# Altium PCB FINAL_PCB_VER1.PcbDoc (part 2 of 4) (continued)
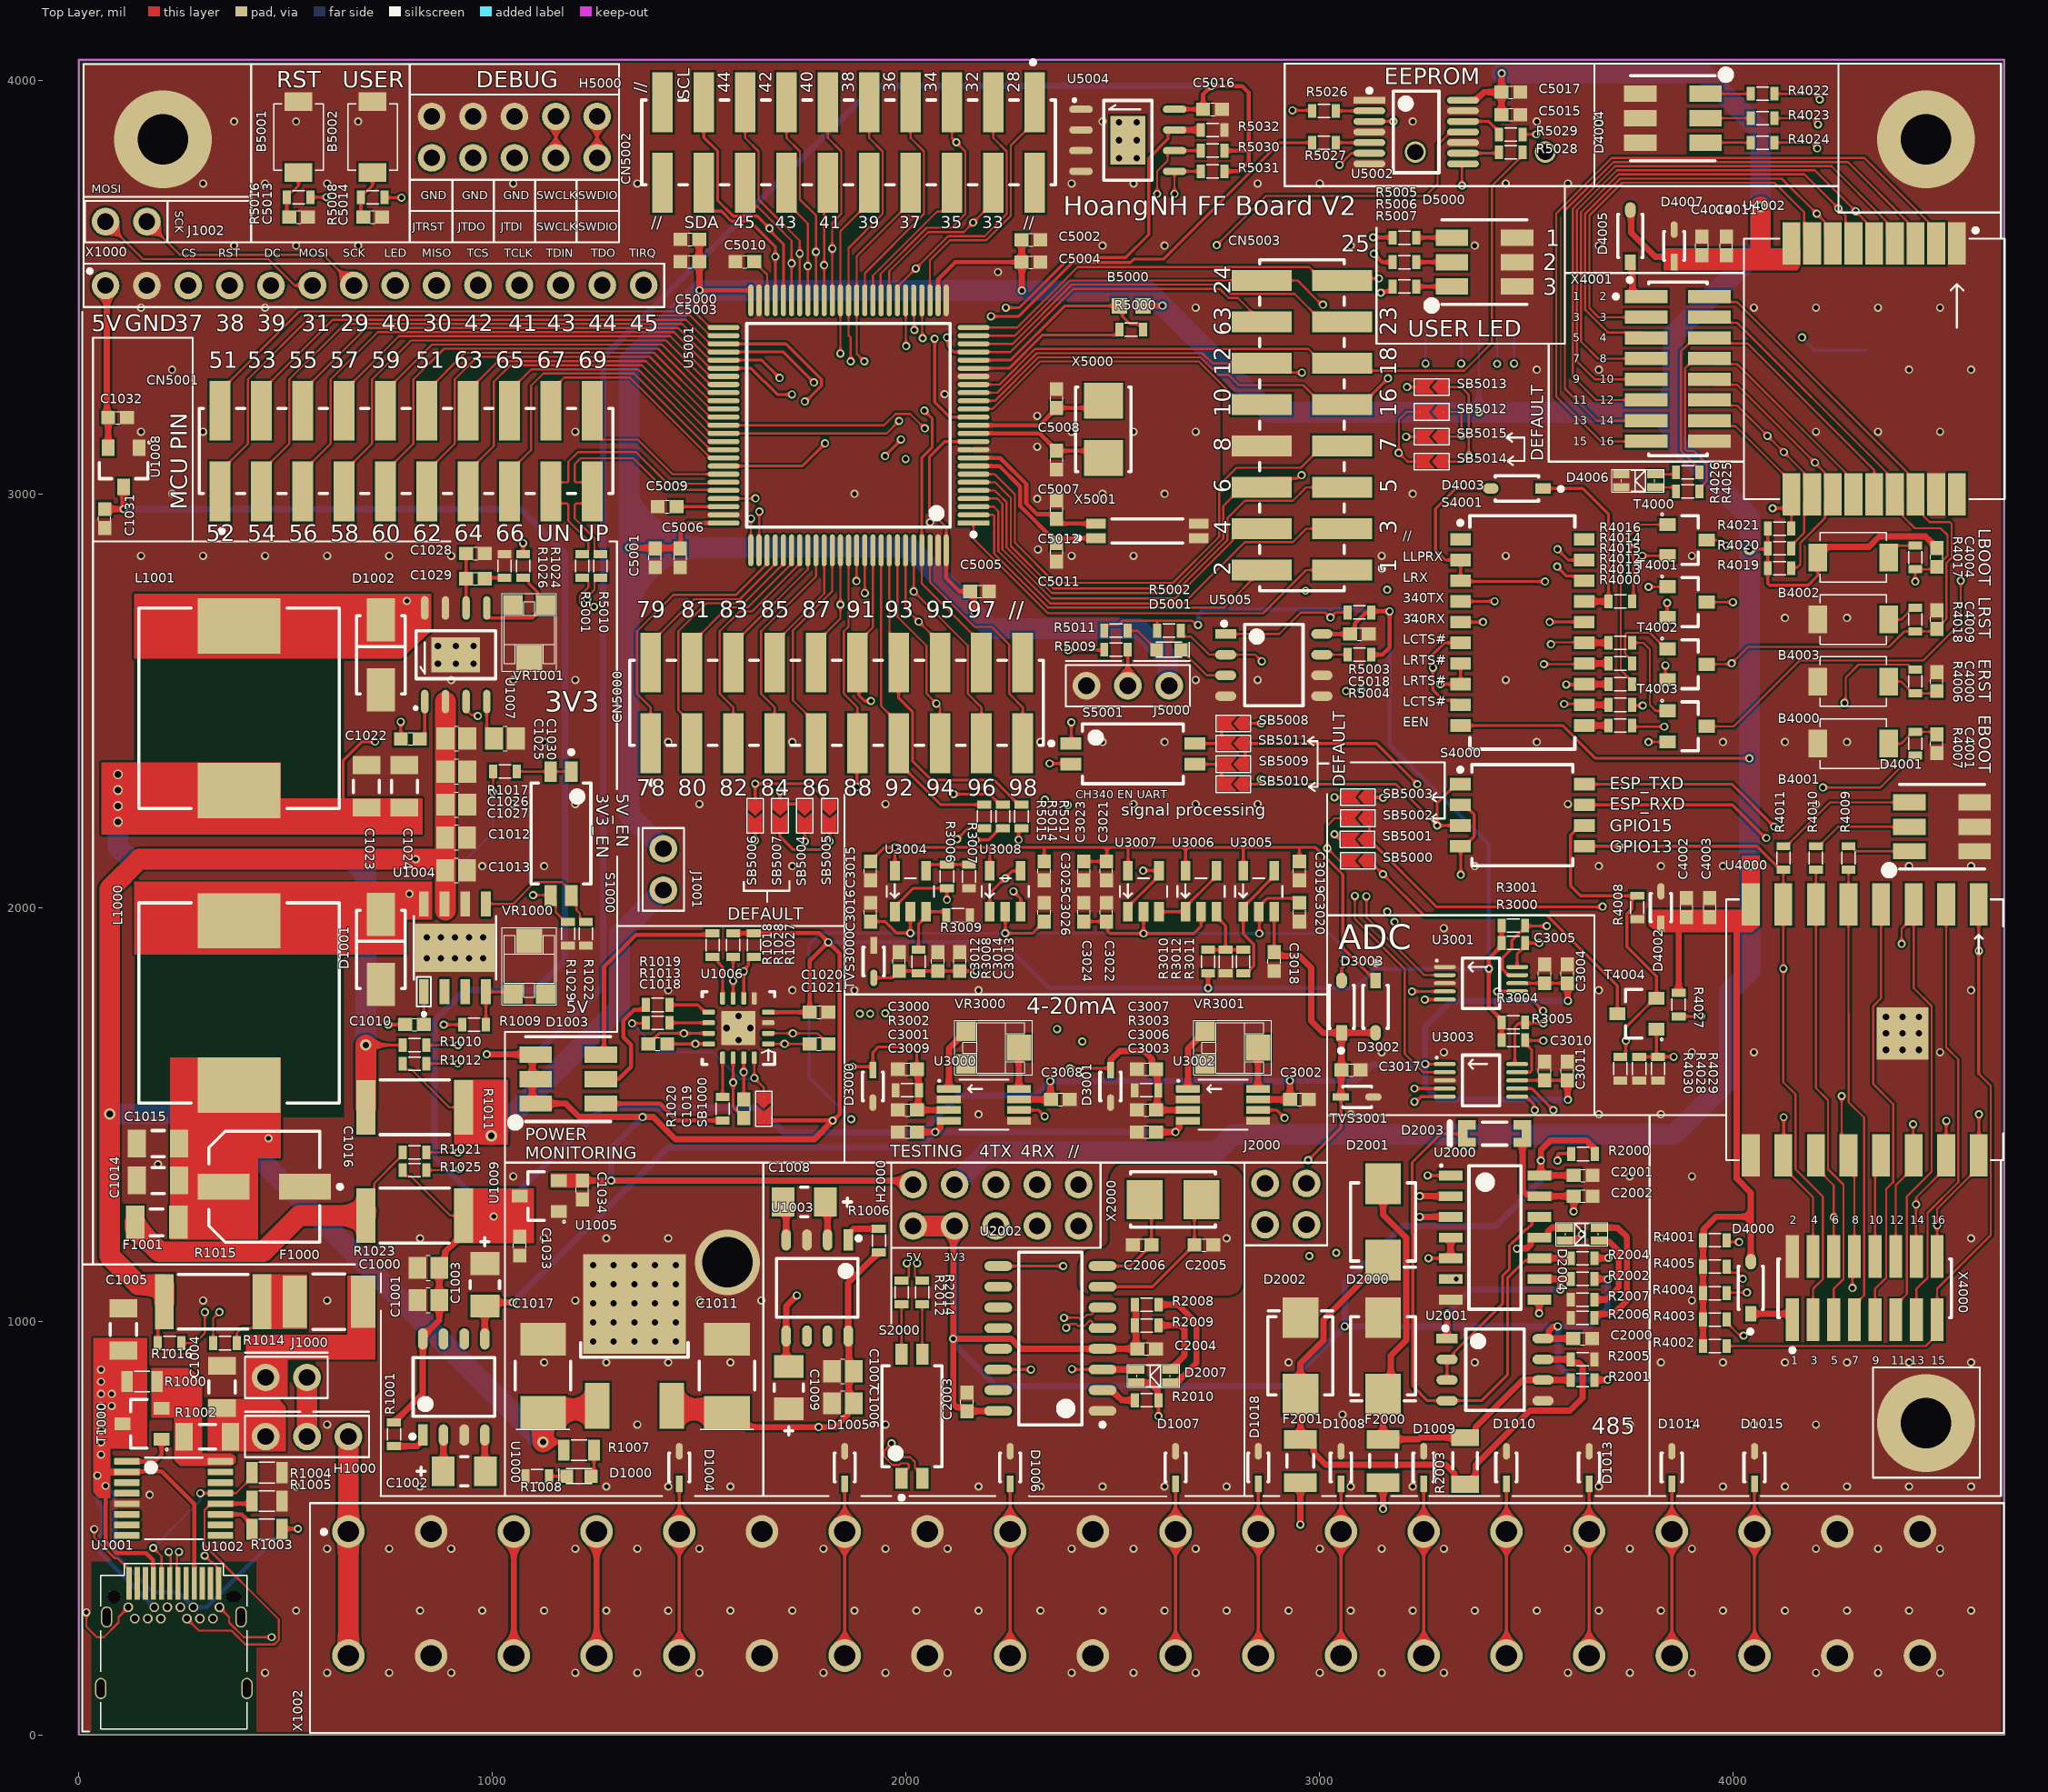
[diagram p0: Top Layer view]
## Nets (pads, with @x,y where several pads share a name; then routed paths per layer and width w, separated by ;. In a path a pad name is that pad's centre, name@x,y a point inside that pad or via, vN(x,y) a via of type N, cw(c..) or ccw(c..) an arc to the next point about the centre after c; other vN are vias at no path point) (continued)
  Top Layer w15: D3001.1@2493.28,1607.87 2495.28,1609.87 2495.28,1631.73 2516.54,1653 2575.2,1653 2594.52,1633.68 2594.52,1617.49 2603.01,1609 C3007.1@2603.91,1609 2607.4,1605.51 2607.4,1560.34 R3003.1@2609.74,1558 2607.4,1555.66 2607.4,1513.69 C3006.1@2603.91,1510.2 U3002.3@2681.55,1510.2
  Mid Layer 2 w7: X1002.7@1851.41,491.29 2005.18,645.05 2005.18,1080.09 1975.04,1110.23 1975.04,1387.64 2198.4,1611 v1(2396,1611)
D1_N: R5001.1 S2000.2 U1001.A7 | length 4557.4
  Top Layer w5: 236.91,433.18 236.91,368.07 U1001.A7@239.26,365.73 ; R5001.1@1217,2796.74 1223.89,2796.74 1231.23,2789.4 1231.23,2786.74 1231.5,2786.47 1231.5,2774.06 1211.2,2753.76 1211.2,2737.27 1221.47,2727 v1(1245.39,2727) ; v1(1964.84,679.45) 1964.84,675.94 1973.27,667.5 1977.41,667.5 1980.91,671 2009.78,671 2021.5,659.28 2021.5,645.43 2024.43,642.5 2026.54,642.5 2039,630.04 S2000.2@2039,620
  Mid Layer 2 w5: v1(241.76,442) 240.66,443.09 240.66,457.89 240.56,457.99 240.56,462.99 350.74,573.17 382.94,573.17 482.77,673 ; v1(1245.39,2727) 1242.58,2724.19 1236.34,2724.19 1165.41,2653.26 1165.41,1369.67 842.62,1046.88 819.57,1046.88 507.38,734.69 507.38,697.61 482.77,673 ; v1(1964.84,679.45) 1962.49,677.11 1457.91,677.11 1433.74,701.28 1145.81,701.28 1130.81,686.28 1113.19,686.28 1098.19,701.28 923.26,701.28 894.98,673 482.77,673
D1_P: R5010.1 S2000.1 U1001.A6 | length 5000.2
  Top Layer w5: U1001.A6@219.57,365.73 221.91,368.07 221.91,433.18 ; v1(1228.55,2745.04) 1228.55,2748.43 1233.09,2752.97 1233.09,2754.44 1246.5,2767.85 1246.5,2786.47 1246.77,2786.74 1246.77,2789.4 1254.11,2796.74 R5010.1@1261,2796.74 ; v1(1964.84,704.13) 1947.49,686.79 1947.49,672.06 1967.06,652.5 1983.63,652.5 1987.12,656 2003.57,656 2006.5,653.07 2006.5,645.43 2003.57,642.5 2001.46,642.5 1989,630.04 S2000.1@1989,620
  Mid Layer 2 w5: v1(217.07,442) 217.07,445.97 221.91,450.82 ; 1225.74,2734.8 1150.41,2659.47 1150.41,1375.89 836.4,1061.88 813.36,1061.88 492.38,740.9 492.38,703.82 476.56,688 376.73,588.17 344.53,588.17 221.91,465.56 221.91,450.82 ; v1(1964.84,704.13) 1982.18,686.79 1982.18,672.27 1972.02,662.11 1451.7,662.11 1427.52,686.28 1152.03,686.28 1137.03,671.28 1106.97,671.28 1091.97,686.28 929.48,686.28 901.2,658 626.99,658 603,658 552.37,658 488.98,658 389.16,558.17 356.96,558.17 258.05,459.26 259.1,458.21 259.1,434.82 248.94,424.66 234.41,424.66 221.87,437.2 221.87,444.56 221.91,444.6 221.91,450.82
D_JTDI: H5000.5 U5001.77 | length 1318.5
  Top Layer w5: U5001.77@1644.28,2863.45 1644.64,2863.81 1644.64,2956.64 v1(1645,2957)
  Mid Layer 1 w5: H5000.5@1053,3812.24 1053,3797.13 1017,3761.13 1017,3496.97 1024.04,3489.94 1024.04,3487.03 1048.03,3463.04 1050.94,3463.04 1591.32,2922.66 1632.18,2922.66 1645,2935.47 v1(1645,2957)
D_JTDO: H5000.7 U5001.89 | length 1664.4
  Top Layer w5: v1(1880,2789) 1880.25,2789.25 1880.25,2863.2 U5001.89@1880.5,2863.45
  Mid Layer 1 w5: H5000.7@953,3812.24 953,3798.27 915,3760.27 915,3496.07 948.03,3463.04 1622.07,2789 v1(1880,2789)
D_JTRST: H5000.9 U5001.90 | length 1829.8
  Top Layer w5: v1(1900,2760) 1900.09,2760.09 1900.09,2863.35 U5001.90@1900.18,2863.45
  Mid Layer 1 w5: H5000.9@853,3812.24 853,3795.48 820,3762.48 820,3476.35 1536.35,2760 v1(1900,2760)
DEBUG-JTMS-SWCLK: H5000.3 H5000.4 U5001.76 | length 1244.5
  Top Layer w5: U5001.76@1624.59,2863.45 1624.8,2863.65 1624.8,2939.8 v1(1625,2940)
  Top Layer w7: H5000.3@1153,3812.24 H5000.4@1153,3912.24
  Mid Layer 1 w5: H5000.3@1153,3812.24 1415.39,3549.84 1415.39,3149.61 v1(1625,2940)
DEBUG-JTMS-SWDIO: H5000.1 H5000.2 U5001.72 | length 1159.5
  Top Layer w5: U5001.72@1558.63,2988.46 1558.9,2988.73 1635.73,2988.73 v1(1636,2989)
  Top Layer w7: H5000.1@1253,3812.24 H5000.2@1253,3912.24
  Mid Layer 1 w5: H5000.1@1253,3812.24 1636,3429.24 v1(1636,2989)
DIGI_INPUT_1: D1013.1 R5014.2 X1002.16 | length 3856.1
  Top Layer w7: v1(2168,2163.34) 2199.43,2163.34 2214.12,2178.03 2214.12,2178.46 2227.05,2191.39 R5014.2@2233.94,2191.39 ; X1002.16@3651.41,191.29 X1002.16@3651.41,491.29 D1013.1@3651.41,606.71
  Mid Layer 1 w7: v1(1888,1743) 1888.34,1742.66 1888.34,890.66 2077,702 3440.7,702 X1002.16@3651.41,491.29
  Mid Layer 2 w7: v1(1888,1743) 1888,1742.06 1905.4,1724.66 1920.6,1724.66 1931.34,1735.4 1931.34,1926.68 v1(2168,2163.34)
DIGI_INPUT_2: D1014.1 R5015.2 X1002.17 | length 3935
  Top Layer w7: v1(2123,2165) 2149.39,2191.39 R5015.2@2188.89,2191.39 ; X1002.17@3851.41,191.29 X1002.17@3851.41,491.29 D1014.1@3851.41,606.71
  Mid Layer 1 w7: v1(1913,1743) 1913,929 2123,719 3491.4,719 3719.11,491.29 X1002.17@3851.41,491.29
  Mid Layer 2 w7: v1(1913,1743) 1913,1955 v1(2123,2165)
DIGI_INPUT_3: D1015.1 R5017.2 X1002.18 | length 4142
  Top Layer w7: v1(2272,2163.34) 2272,2185.05 2278.34,2191.39 R5017.2@2279,2191.39 ; X1002.18@4051.41,191.29 X1002.18@4051.41,491.29 D1015.1@4051.41,606.71
  Mid Layer 1 w7: v1(1949.68,1744) 1947.26,1741.57 1947.26,1727 1937.82,1717.56 1937.82,948.94 2144.75,742 3668.4,742 3919.11,491.29 X1002.18@4051.41,491.29
  Mid Layer 2 w7: v1(1949.68,1744) 1951.18,1745.49 1951.18,1909.52 2205,2163.34 v1(2272,2163.34)
DN2: U1001.B7
DP2: U1001.B6
ESP_ADC: U4000.2 X4000.13 | length 1058.1
  Top Layer w5: X4000.13@4443,1003.17 4443,1078 4469.75,1104.75 4469.75,1261.84 4544,1336.09 4544,1632.81 4514.85,1661.96 U4000.2@4514.85,2007.36
ESP_EN: R4000.1 U4000.3 X4000.11 | length 2006.2
  Top Layer w5: R4000.1@3755.54,2439.76 3758.3,2437 v1(3833,2437) ; X4000.11@4393,1003.17 4393,1039 4419.75,1065.75 4419.75,1301.26 4479.71,1361.22 4479.71,1761.65 4436.11,1805.25 U4000.3@4436.11,1977.84 ; v1(4407,1912) 4407,1948.73 U4000.3@4436.11,1977.84 ; U4000.3@4436.11,2007.36 U4000.3@4436.11,1977.84
  Mid Layer 1 w5: v1(3833,2437) 3882.05,2437 4407,1912.05 v1(4407,1912)
ESP_EN_PULLUP: R4000.2 S4001.11 | length 59
  Top Layer w15: S4001.11@3639.41,2439.76 R4000.2@3698.46,2439.76
ESP_GPIO0: R4003.1 R4007.1 T4001.3 U4000.12 X4000.8 | length 2779
  Top Layer w5: T4001.3@3935.24,2737.99 v1(3999.16,2737.99) ; R4003.1@3984,1003.77 3984,996.88 4013.07,967.81 4022.19,967.81 v1(4025,965) ; v1(4216.67,2290) 4355.65,2290 4433.11,2367.46 R4007.1@4440,2367.46 ; v1(4262,1544) 4262,1417.69 4293,1386.69 X4000.8@4293,1155.93 4287,1149.93 4288.05,1148.88 v1(4288.05,1080.13)
  Mid Layer 1 w5: v1(3999.16,2737.99) 3999.16,2736.15 3915.56,2652.55 3915.56,2417.63 4043.19,2290 v1(4216.67,2290) 4262,2244.67 4262,2081.53 4424.34,1919.18 4424.34,1817.98 4262,1655.64 v1(4262,1544) ; v1(4025,965) 4172,965 4287.13,1080.13 v1(4288.05,1080.13)
ESP_GPIO2: R4001.1 U4000.11 X4000.6 | length 548.6
  Top Layer w5: R4001.1@3984,1195.39 3988.39,1191 v1(4014,1191) ; U4000.11@4199.89,1401.06 4199.89,1371.54 4243,1328.43 v1(4243,1250.76) X4000.6@4243,1155.93
  Mid Layer 1 w5: v1(4014,1191) 4183.24,1191 v1(4243,1250.76)
ESP_GPIO4: U4000.13 X4000.10 | length 251.1
  Top Layer w5: X4000.10@4343,1155.93 4343,1386.69 U4000.13@4357.37,1401.06
ESP_GPIO5: R4028.2 R4029.2 T4004.1 U4000.14 X4000.12 | length 1136.5
  Top Layer w5: X4000.12@4393,1155.93 4393,1328.43 4436.11,1371.54 4435,1372.65 v1(4435,1476)
  Top Layer w7: R4028.2@3772.47,1639.03 R4029.2@3817.94,1639.03 3814.24,1642.73 T4004.1@3814.19,1705.6 ; R4029.2@3817.96,1639.02 v1(3856,1639)
  Mid Layer 1 w7: v1(3856,1639) 3983.66,1511.34 4234.78,1511.34 4244.46,1501.66 4409.34,1501.66 v1(4435,1476)
ESP_GPIO12: R4010.2 U4000.6 X4000.5 | length 1124.9
  Top Layer w5: R4010.2@4199.89,2090.91 U4000.6@4199.89,2007.36 4199.89,1563.14 4229.04,1533.99 4229.04,1367.21 4266.25,1330 4266.25,1101.25 4243,1078 X4000.5@4243,1003.17
ESP_GPIO13: R4011.2 R4027.1 S4000.5 SB5001.1 SB5002.1 U4000.7 X4000.3 | length 2922.8
  Top Layer w5: R4011.2@4121.15,2087.96 4121.15,2007.36 4121,2007.21 4121,1577.66 4150.3,1548.36 4150.3,1367.21 4216.25,1301.26 4216.25,1101.25 4193,1078 X4000.3@4193,1003.17
  Top Layer w7: SB5002.1@3120.54,2215.5 3120.54,2165.25 SB5001.1@3119.54,2164.25 3282.79,2001 3683,2001 v1(3684,2002) ; S4000.5@3640,2148 v1(3724.77,2148) 4057.17,2148 4117.21,2087.96 R4011.2@4121.15,2087.96 ; R4027.1@3868,1736.46 3868.27,1736.73 3922.73,1736.73 v1(3923,1737)
  Mid Layer 1 w7: v1(3684,2002) 3724.77,2042.77 v1(3724.77,2148) ; v1(3923,1737) 3923,1881 3955.02,1913.02 4059.98,1913.02 v1(4121,1852)
ESP_GPIO14: R4009.2 U4000.5 X4000.7 | length 1113
  Top Layer w5: R4009.2@4278.63,2090.91 4278.63,1743.98 4279.34,1743.27 4279.34,1528.56 4316.25,1491.66 4316.25,1062.25 4293,1039 X4000.7@4293,1003.17
ESP_GPIO15: R4008.2 R4030.2 S4000.6 T4004.2 U4000.10 X4000.4 | length 1627.3
  Top Layer w5: U4000.10@4121.15,1401.06 4121.15,1371.54 4193,1299.69 X4000.4@4193,1155.93
  Top Layer w7: S4000.6@3640,2198 3629.96,2198 3606.5,2174.54 3606.5,2052.5 3630.79,2028.21 R4008.2@3761.11,2028.21 ; R4030.2@3727,1639.03 3733.89,1639.03 3740.23,1645.37 v1(3740.23,1677.85) 3740.23,1710.33 T4004.2@3810.31,1780.4 ; R4008.2@3768,2028.21 R4008.2@3761.11,2028.21 ; T4004.2@3814.19,1780.4 3814.24,1833.76 3742.77,1905.23 3742.77,1984.48 3754.77,1996.48 3754.77,2021.87 R4008.2@3761.11,2028.21 ; U4000.10@4121.15,1401.06 4122,1401.91 v1(4122,1493)
  Mid Layer 1 w7: v1(3740.23,1677.85) 3925.08,1493 v1(4122,1493)
ESP_GPIO16: U4000.4 X4000.9 | length 1049.7
  Top Layer w5: X4000.9@4343,1003.17 4343,1078 4369.75,1104.75 4369.75,1319.32 4386.52,1336.09 4386.52,1524.97 4338.73,1572.77 4338.73,1761.65 4357.37,1780.29 U4000.4@4357.37,2007.36
ESP_RXD: R4005.1 S4000.7 U4000.15 X4000.14 | length 2382.8
  Top Layer w5: R4005.1@3984,1131.52 3984,1124.63 3991.34,1117.29 4007.71,1117.29 v1(4023,1102) ; X4000.14@4443,1155.93 4442,1156.93 v1(4442,1282) 4442.66,1282.66 4442.66,1299.34 4514.85,1371.54 U4000.15@4514.85,1401.06
  Top Layer w7: S4000.7@3640,2248 3997.47,2248 4077.74,2167.74 v1(4079.84,2167.74) ; U4000.15@4514.85,1401.06 4515,1401.21 v1(4515,1484)
  Mid Layer 1 w5: v1(4023,1102) 4157.91,1102 4337.91,1282 v1(4442,1282)
  Mid Layer 1 w7: v1(4079.84,2167.74) 4080,2167.58 4080,1930 4139.49,1870.51 4139.49,1623.6 4249.43,1513.66 4485.34,1513.66 v1(4515,1484)
ESP_TXD: R4004.1 S4000.8 U4000.16 X4000.16 | length 2549.4
  Top Layer w5: R4004.1@3984,1067.64 3985.36,1069 v1(4033,1069) ; X4000.16@4493,1155.93 v1(4493,1231.44) 4493,1270.95 4593.59,1371.54 U4000.16@4593.59,1401.06
  Top Layer w7: S4000.8@3640,2298 3996.53,2298 v1(4099.26,2195.26) ; U4000.16@4593.59,1401.06 4594,1401.47 v1(4594,1500)
  Mid Layer 1 w5: v1(4033,1069) 4181.78,1069 4344.22,1231.44 v1(4493,1231.44)
  Mid Layer 1 w7: v1(4099.26,2195.26) 4098.34,2194.34 4098.34,1929.57 4176.91,1851 4176.91,1603.15 4254.4,1525.66 4568.34,1525.66 v1(4594,1500)
GND: B4000.1 B4001.2 B4003.2 B5001.2 B5002.2 C1000.2 C1001.2 C1003.2 C1004.2 C1005.2 C1006.2 C1007.2 C1009.2 C1011.1 C1012.2 C1013.2 C1014.2 C1015.2 C1016.1 C1017.1 C1020.2 C1023.2 C1024.2 C1025.2 C1026.2 C1027.2 C1028.2 C1030.2 C1031.2 C1032.2 C1033.2 C1034.2 C2000.2 C2001.2 C2002.2 C2003.1 C2004.2 C2005.2 C2006.2 C3000.2 C3001.2 C3002.2 C3003.2 C3004.2 C3005.2 C3006.2 C3007.2 C3008.2 C3009.2 C3010.2 C3011.2 C3012.1 C3013.1 C3014.2 C3015.2 C3016.2 C3017.2 C3018.2 C3019.2 C3020.2 C3021.2 C3022.2 C3023.2 C3024.2 C3025.2 C3026.2 C4000.1 C4001.2 C4002.2 C4003.2 C4009.2 C4010.2 C4011.2 C5000.2 C5001.2 C5002.2 C5003.2 C5004.2 C5005.2 C5006.2 C5007.2 C5008.2 C5009.2 C5010.2 C5011.2 C5012.2 C5013.2 C5014.2 C5015.2 C5016.2 C5017.2 C5018.2 CN5003.8 D1001.1 D1002.1 D1004.2 D1005.2 D1006.2 D1007.2 D1008.2 D1009.2 D1010.2 D1013.2 D1014.2 D1015.2 D1018.2 D2000.1 D2002.2 D3000.2 D3001.2 D4001.2 D4001.4 D4001.6 D4002.2 D4004.2 D4004.4 D4004.6 D4006.1 D4006.3 D4007.2 D5000.2 D5000.4 D5000.6 H5000.6 H5000.8 H5000.10 J5000.1 R1004.1 R1005.1 R1008.2 R1022.1 R1026.1 R1029.1 R2005.1 R2006.1 R2007.1 R3002.2 R3003.2 R3007.1 R3009.1 R3012.1 R4008.1 R4028.1 R4029.1 R4030.1 R5032.2 TVS3000.1 TVS3001.2 U1000.3 U1001.A1 U1001.A12 U1001.B1 U1001.B12 U1002.5 U1003.3 U1004.6 U1004.9 U1005.4 U1006.3 U1006.5 U1006.17@1594.58,1708.42 U1007.7 U1007.9 U1008.1 U1009.1 U2000.7 U2001.5 U2002.1 U3000.2 U3000.5 U3001.1 U3001.3 U3002.2 U3002.5 U3003.3 U4000.9 U4002.1 U4002.17 U5000.1 U5001.10 U5001.19 U5001.26 U5001.49 U5001.74 U5001.99 U5002.1 U5002.4 U5002.7 U5002.10 U5002.13 U5003.6 U5003.G U5004.1 U5004.2 U5004.3 U5004.4 U5005.4 U5005.5 U5005.6 VR1000.2 VR1001.2 X1000.2 X1002.2 X1002.6 X1002.8 X1002.10 X1002.19 X1002.20 X4000.2 X4001.16 X5001.2 X5001.3 | length 601.2
  Top Layer w5: v1(18,296) 18,261 43,236 60.29,236 95.72,271.43 95.72,284.79 U1001.B12@119.18,308.24 ; v1(37,497) 37,476.52 87.14,426.39 93.55,426.39 121.15,398.8 U1001.A1@121.15,365.73 ; v1(304,433) 319.84,417.16 322.84,417.16 333.88,406.12 333.88,369.53 U1001.A12@337.68,365.73 ; U1001.B1@339.65,308.24 363.11,284.79 363.11,271.43 398.7,235.83 v1(465.89,235.83)
  other v1: 450,150 600,150 750,150 900,150 1200,150 1350,150 1500,150 1800,150 1950,150 2100,150 2400,150 2550,150 2700,150 3000,150 3150,150 3300,150 3600,150 3750,150 3900,150 4200,150 4350,150 4500,150 525,300 825,300 975,300 1125,300 1275,300 1425,300 1575,300 1725,300 1875,300 2025,300 2175,300 2325,300 2475,300 2625,300 2775,300 2925,300 3075,300 3225,300 3375,300 3525,300 3675,300 3825,300 3975,300 4125,300 4275,300 4425,300 4575,300 600,450 750,450 900,450 1200,450 1350,450 1500,450 1800,450 1950,450 2100,450 2400,450 2550,450 2700,450 3000,450 3150,450 3300,450 3600,450 3750,450 3900,450 4200,450 4350,450 4500,450 171,580 525,600 825,600 1275,600 1425,600 1575,600 2175,600 2325,600 2475,600 2625,600 2775,600 3075,600 3225,600 3675,600 3975,600 4125,600 4275,600 4425,600 4575,600 600,750 1350,750 1950,750 3750,750 3900,750 4050,750 4200,750 3055,774 1125,900 1275,900 1425,900 1575,900 2925,900 3375,900 3825,900 3975,900 4125,900 4275,900 4425,900 4575,900 300,1050 600,1050 1200,1050 1500,1050 1650,1050 3900,1050 825,1200 1125,1200 1275,1200 1425,1200 2775,1200 3825,1200 4575,1200 1050,1350 3750,1350 3900,1350 191.05,1379.15 2175,1500 3075,1500 3675,1500 3825,1500 3150,1650 3300,1650 3900,1650 4050,1650 4500,1650 1425,1800 1725,1800 1875,1800 2175,1800 3675,1800 4575,1800 3300,1950 975,2100 1125,2100 1725,2100 3375,2100 3675,2100 3825,2100 3975,2100 4425,2100 4575,2100 1050,2250 1200,2250 1500,2250 1950,2250 2550,2250 2700,2250 2850,2250 3600,2250 4200,2250 1125,2400 1425,2400 1725,2400 2325,2400 2475,2400 2625,2400 3525,2400 3975,2400 4125,2400 4275,2400 4575,2400 900,2550 1050,2550 1200,2550 2700,2550 2850,2550 3450,2550 3225,2700 4125,2700 4275,2700 4575,2700 150,2850 300,2850 450,2850 600,2850 750,2850 900,2850 2400,2850 2550,2850 3150,2850 3450,2850 3900,2850 2318.61,2865.41 2058,2931 2316.83,2988 225,3000 1875,3000 2475,3000 2625,3000 3225,3000 2316.83,3113.63 150,3150 300,3150 1200,3150 2400,3150 2550,3150 2700,3150 4200,3150 4350,3150 4500,3150 2316.83,3188.63 2093,3241 225,3300 3525,3300 3675,3300 4425,3300 4575,3300 150,3450 450,3450 2700,3450 4050,3450 4200,3450 4350,3450 4500,3450 2222,3536 375,3600 525,3600 675,3600 2475,3600 2625,3600 3075,3600 3375,3600 3675,3600 300,3750 450,3750 600,3750 1050,3750 1350,3750 2400,3750 2550,3750 2850,3750 3000,3750 3450,3750 3600,3750 375,3900 525,3900 675,3900 2475,3900 3225,3900 3525,3900 3675,3900
  other v2: 1243,950.51 1293,950.51 1343,950.51 1393,950.51 1443,950.51 1243,996.76 1293,996.76 1343,996.76 1393,996.76 1443,996.76 1243,1043.01 1293,1043.01 1343,1043.01 1393,1043.01 1443,1043.01 1243,1089.26 1293,1089.26 1343,1089.26 1393,1089.26 1443,1089.26 1243,1135.51 1293,1135.51 1343,1135.51 1393,1135.51 1443,1135.51
  other v4: 1594.58,1679.42 1565.58,1708.42 1623.58,1708.42 1594.58,1737.42 867.75,2589.13 911.05,2589.13 954.36,2589.13 867.75,2632.44 911.05,2632.44 954.36,2632.44
  other v6: 4466,753 203,3857 4466,3857
  other v8: 1568,1142
I2C2_SCL: CN5002.17 R1027.2 R3000.1 R3004.1 R5002.1 R5030.2 U1006.6 U3001.10 U3003.10 U5001.46 U5004.6 U5005.2 | length 7009.7
  Top Layer w5: v1(2607,3725) 2607,3780.08 2632.08,3805.15 2632.08,3823.65 2637.95,3829.52 U5004.6@2649.26,3829.52 ; R5002.1@2663.98,2669 2663.98,2662.11 2671.33,2654.77 2688.97,2654.77 2732.74,2611 U5005.2@2772.86,2611 2844,2611 v3(2860,2595)
  Top Layer w7: CN5002.17@1510.83,3946.88 1510.83,3861.46 1544.33,3827.96 1544.33,3709.04 1582.31,3671.06 1640.26,3671.06 v1(1669.64,3641.68) ; U1006.6@1607.37,1780.27 v1(1607.37,1845.69) 1607.37,1849.13 1618.53,1860.28 1618.53,1874.36 1624.87,1880.71 R1027.2@1631.76,1880.71 ; v1@1667.48,3639.52 1703.35,3603.65 U5001.46@1703.33,3467.81 ; U5004.6@2649.26,3829.52 R5030.2@2712.24,3829.52 ; U3003.10@3477.6,1621.31 3473.36,1621.31 3472.05,1622.63 3472.05,1711.17 3480.41,1719.54 3494.19,1719.54 R3004.1@3496.65,1722 3498.65,1720 v1(3541,1720) ; U3001.10@3477.6,1856.06 3477.6,1888.05 3496.65,1907.11 R3000.1@3496.65,1914 v1(3531,1914)
  Mid Layer 1 w5: v1(1669.64,3641.68) 1752.97,3725 v1(2607,3725)
  Mid Layer 1 w7: v1(1607.37,1845.69) 1607.37,2325.9 1939.57,2658.1 1939.57,3025.02 v1(1998.79,3084.24) ; v1(1669.64,3641.68) 1654.95,3626.98 1654.95,3622.66 1653.55,3621.26 1653.55,3429.48 v1(1998.79,3084.24) ; v3(2860,2595) 2939.14,2595 3005.57,2661.43 ; v1(3531,1914) 3531,2136 3005.57,2661.43 ; v1(1998.79,3084.24) 2344.03,2739 2928,2739 3005.57,2661.43
  Mid Layer 2 w7: v1(3531,1914) 3558.34,1886.66 3558.34,1737.34 v1(3541,1720)
I2C2_SDA: CN5002.18 R1028.2 R3001.1 R3005.1 R5003.1 R5031.2 U1006.7 U3001.9 U3003.9 U5001.47 U5004.5 U5005.1 | length 6888.8
  Top Layer w5: v1(2649,3725) 2649,3779.26 U5004.5@2649.26,3779.52 ; U5005.1@2772.86,2661 2902.07,2661 2954.07,2713 3013.43,2713 3025.43,2701 3026.48,2701 3038.48,2713 R5003.1@3067.46,2713
  Top Layer w7: CN5002.18@1510.83,3752 1510.83,3704.56 1532.33,3683.06 1553.34,3683.06 1577.34,3659.06 1622,3659.06 1683.66,3597.4 v1(1683.66,3573.35) U5001.47@1683.66,3467.81 ; U1006.7@1581.78,1780.27 v1(1581.78,1822.73) R1028.2@1581.78,1880.71 ; v1(1949,3091) 1949,3092 1987.47,3130.47 v1(1987.47,3131.47) ; U5004.5@2649.26,3779.52 R5031.2@2712.24,3779.52 ; U3003.9@3477.6,1601.63 3508.57,1601.63 3512.67,1605.73 3512.67,1656.09 3496.65,1672.11 R3005.1@3496.65,1679 3497.65,1678 v1(3541,1678) ; U3001.9@3477.6,1836.38 3455.94,1836.38 3442.52,1849.8 3442.52,1878.36 3464.67,1900.51 3464.67,1920.62 3486.83,1942.77 3490.31,1942.77 3496.65,1949.11 R3001.1@3496.65,1956 3497.65,1955 v1(3549.34,1955)
  Mid Layer 1 w5: v1(1683.66,3573.35) 1813.32,3703 2627,3703 v1(2649,3725)
  Mid Layer 1 w7: v1(1581.78,1822.73) 1581.78,2322.59 1927.57,2668.38 1927.57,3069.57 v1(1949,3091) ; v1(1683.66,3573.35) 1683.66,3435.28 v1(1987.47,3131.47) ; v1@1985,3129 2354,2760 2925,2760 2991.35,2693.65 ; v3(3025.96,2701) 3023.53,2698.57 3006.1,2698.57 3001.17,2693.65 2991.35,2693.65 ; v1(3549.34,1955) 3549.34,2135.66 2991.35,2693.65
  Mid Layer 2 w7: v1(3541,1678) 3570.34,1707.34 3570.34,1934 v1(3549.34,1955)
LED1: D5000.5 R5005.2 | length 86.1
  Top Layer w10: R5005.2@3233.54,3619.1 D5000.5@3319.68,3619.1
LED2: D5000.3 R5006.1 | length 78.3
  Top Layer w10: R5006.1@3233.54,3560.05 D5000.3@3311.81,3560.05
LED3: D5000.1 R5007.1 | length 78.3
  Top Layer w10: R5007.1@3233.54,3500.99 D5000.1@3311.81,3500.99
LORA_ADC0: U4002.3 X4001.13 | length 1656.8
  Top Layer w5: X4001.13@3789.62,3176.85 3670.15,3176.85 3593,3254 3593,3684.71 3710.29,3802 4277.22,3802 4421.63,3657.59 4421.63,3624.15 U4002.3@4440.78,3605
LORA_ADC1: U4002.2 X4001.15 | length 1784.9
  Top Layer w5: X4001.15@3789.62,3126.85 3680.15,3126.85 3572,3235 3572,3677.85 3706.15,3812 4317.22,3812 4471.63,3657.59 4471.63,3624.15 U4002.2@4490.78,3605
LORA_DAC: U4002.4 X4001.11 | length 1525.8
  Top Layer w5: X4001.11@3789.62,3226.85 3668.15,3226.85 3611.86,3283.14 3611.86,3689.42 3714.43,3792 4237.22,3792 4365.54,3663.68 4371.63,3657.59 4371.63,3624.15 U4002.4@4390.78,3605
LORA_IO2: C4004.1 R4017.1 T4003.3 U4002.15 X4001.4 | length 1935.7
  Top Layer w5: T4003.3@3935.24,2437.79 4001,2437.79 4040.42,2477.21 4160.17,2596.96 4459.16,2596.96 4550,2687.8 v1(4550,2790) ; X4001.4@3942.38,3426.85 3955.63,3413.6 4009.32,3413.6 4371.63,3051.29 4371.63,3017.85 U4002.15@4390.78,2998.7 4409.93,2979.55 4409.93,2946.11 4439.11,2916.93 4501.07,2916.93 4518,2900 4518,2850.19 4492,2824.19 C4004.1@4492,2823.29 4486.17,2817.46 R4017.1@4440,2817.46 v1(4440,2788)
  Mid Layer 1 w5: v1(4440,2788) 4441,2789 4549,2789 v1(4550,2790)
LORA_IO14: R4025.1 U4002.14 X4001.6 | length 982.8
  Top Layer w5: R4025.1@3918.54,3052 3918.54,3058.89 3883.83,3093.6 3883.55,3093.6 3873.3,3103.85 3873.3,3343.6 3906.55,3376.85 X4001.6@3942.38,3376.85 3955.63,3363.6 4034.56,3363.6 4340.78,3057.38 U4002.14@4340.78,2998.7
LORA_IO15: R4026.1 U4002.13 X4001.8 | length 908.8
  Top Layer w5: R4026.1@3918.54,3006 3918.54,3012.89 3935.89,3030.23 3935.89,3071.84 3904.12,3103.6 3887.7,3103.6 3883.3,3108 3883.3,3303.6 3906.55,3326.85 X4001.8@3942.38,3326.85 3955.63,3313.6 4009.32,3313.6 4271.63,3051.29 4271.63,3017.85 U4002.13@4290.78,2998.7
LORA_LPUART-RX: R4021.1 S4001.19 U4002.10 X4001.14 | length 1057.1
  Top Layer w5: X4001.14@3942.38,3176.85 3955.63,3163.6 4005.41,3163.6 4140.78,3028.23 U4002.10@4140.78,2998.7 4140.78,2971.73 4140.78,2916.24 R4021.1@4140.54,2916
  Top Layer w7: v1(3575,2866) 3601.24,2839.76 S4001.19@3639.41,2839.76 ; v1(4095,2965) 4134.05,2965 U4002.10@4140.78,2971.73
  Mid Layer 1 w7: v1(3575,2866) 3719.06,2866 3818.06,2965 v1(4095,2965)
LORA_RXD: R4019.1 S4001.18 SB5013.1 SB5014.1 U4002.12 X4001.10 | length 2669.2
  Top Layer w5: SB5014.1@3299.54,3078 3346,3078 v1(3360.43,3092.43) 3360.43,3239.57 3342.09,3257.91 SB5013.1@3299.54,3257.91 ; X4001.10@3942.38,3276.85 3955.63,3263.6 4009.32,3263.6 v1(4197.38,3075.54) 4221.63,3051.29 4221.63,3017.85 U4002.12@4240.78,2998.7 4221.63,2979.55 4221.63,2940.63 4162,2881 4162,2829 4154.96,2821.96 4142.5,2821.96 R4019.1@4140.54,2820
  Top Layer w7: v1(3574,2824) 3596.78,2801.22 3627.95,2801.22 S4001.18@3639.41,2789.76
  Mid Layer 1 w5: v1(3360.43,3092.43) 3734.02,3092.43 3759.71,3118.12 4154.8,3118.12 v1(4197.38,3075.54)
  Mid Layer 1 w7: v1(3574,2824) 3556.66,2841.34 3556.66,2873.6 3758.6,3075.54 v1(4197.38,3075.54)
LORA_SSP1-CLK: R4022.2 U4002.5 X4001.9 | length 1823.8
  Top Layer w5: X4001.9@3789.62,3276.85 3665.15,3276.85 3622,3320 3622,3685.43 3718.57,3782 4197.22,3782 v1(4296.08,3683.14) 4321.63,3657.59 4321.63,3624.15 U4002.5@4340.78,3605 ; R4022.2@4099.54,3967.06 4194.94,3967.06 v1(4209,3953)
  Mid Layer 1 w5: v1(4209,3953) 4296.08,3865.92 v1(4296.08,3683.14)
LORA_SSP1_NSS: R4023.2 U4002.6 X4001.7 | length 1617
  Top Layer w5: X4001.7@3789.62,3326.85 3673.13,3326.85 3632,3367.98 3632,3681.28 3722.72,3772 4172,3772 v1(4254.2,3689.8) 4271.63,3672.37 4271.63,3624.15 U4002.6@4290.78,3605 ; R4023.2@4099.54,3908 4190,3908 v1(4205,3893)
  Mid Layer 1 w5: v1(4205,3893) 4254.2,3843.8 v1(4254.2,3689.8)
LORA_SWCLK: R4024.2 U4002.7 X4001.5 | length 1394
  Top Layer w5: X4001.5@3789.62,3376.85 3776.37,3390.1 3696.76,3390.1 3642,3444.86 3642,3677.14 3726.86,3762 4117.22,3762 v1(4201.92,3677.3) 4221.63,3657.59 4221.63,3624.15 U4002.7@4240.78,3605 ; R4024.2@4099.54,3848.94 4189.06,3848.94 v1(4203,3835)
  Mid Layer 1 w5: v1(4201.92,3677.3) 4202.46,3677.84 4202.46,3834.46 v1(4203,3835)
LORA_SWDIO: U4002.8 X4001.3 | length 1036.1
  Top Layer w5: X4001.3@3789.62,3426.85 3674.15,3426.85 3652,3449 3652,3673 3731,3752 4100,3752 4171.63,3680.37 4171.63,3624.15 U4002.8@4190.78,3605
LORA_TXD: R4020.1 S4001.16 SB5012.1 SB5015.1 U4002.11 X4001.12 | length 2358.7
  Top Layer w5: SB5015.1@3299.54,3137.97 3340.07,3137.97 v1(3343,3140.9) 3343,3195.01 3340.07,3197.94 SB5012.1@3299.54,3197.94 ; X4001.12@3942.38,3226.85 3955.63,3213.6 4009.32,3213.6 v1(4082.77,3140.15) v1(4122.15,3100.77) 4171.63,3051.29 4171.63,3017.85 U4002.11@4190.78,2998.7 4171.63,2979.55 4171.63,2905.97 4140.54,2874.89 R4020.1@4140.54,2868
  Top Layer w7: v1(3556,2690) 3639.17,2690 S4001.16@3639.41,2689.76
  Mid Layer 1 w5: v1(3343,3140.9) 3343.37,3140.53 4082.4,3140.53 v1(4082.77,3140.15)
  Mid Layer 1 w7: v1(3556,2690) 3526.66,2719.34 3526.66,2860.57 3766.86,3100.77 v1(4122.15,3100.77)
MAIN_POW_IN: C1012.1 C1013.1 C1017.2 C1025.1 C1026.1 C1027.1 R1007.1 R1015.1 R1016.2 R1017.2 U1004.7 U1005.1 U1007.2 | length 4552.7
  Top Layer w5: v1(1001.41,2277.79) 1001.41,2328.39 R1017.2@1001.51,2328.49
  Top Layer w7: R1016.2@190.87,946.79 190.87,1031.43 R1015.1@206.23,1046.79 ; v5(1122,707.56) 1162.3,707.56 1172.58,697.28 R1007.1@1172.58,688
  Top Layer w50: R1015.1@206.23,1046.79 206.23,1085.69 204.02,1087.9 143.31,1087.9 74.41,1156.79 v5(74.41,1500.83) 74.41,2044.58 146.32,2116.48 886.05,2116.48 ; U1004.7@886.05,1992.78 886.05,2116.48 ; U1007.2@886.05,2497.6 C1025.1@886.05,2408.45 C1026.1@886.05,2328.48 C1027.1@886.05,2248.52 886.05,2116.48 ; v5(1122,707.56) C1017.2@1122,779.25 1129.87,787.13 1248.47,787.13 1253,791.65 U1005.1@1253,795
  Bottom Layer w5: v1(814.41,2116.79) 936.41,2116.79 1001.41,2181.79 v1(1001.41,2277.79)
  Bottom Layer w50: v5(74.41,1500.83) 328.73,1500.83 v5(1122,707.56)
MAIN_POW_RAW: F1000.2 R1014.2 R1015.2 | length 142.2
  Top Layer w5: R1014.2@381.41,946.79 381.41,971.02 393.58,983.18 422.3,983.18 442.6,1003.48 R1015.2@442.6,1046.79
MCU1: CN5003.1 U5001.1 | length 1047.8
  Top Layer w5: U5001.1@2163,2929.41 2163.01,2890.85 2342.86,2711 2862.98,2711 2967.61,2815.63 CN5003.1@3054.44,2815.63
MCU2: CN5003.2 U5001.2 | length 880.3
  Top Layer w5: U5001.2@2163,2949.09 2210.07,2949.09 2213,2946.16 2213,2855 2343,2725 2768.93,2725 CN5003.2@2859.56,2815.63
MCU3: CN5003.3 U5001.3 | length 1119.7
  Top Layer w5: U5001.3@2163,2968.78 2211.84,2968.78 2223,2957.62 2223,2861 2349,2735 2670.88,2735 2819.01,2883.13 2935.11,2883.13 2967.61,2915.63 CN5003.3@3054.44,2915.63
MCU4: CN5003.4 U5001.4 | length 934.6
  Top Layer w5: U5001.4@2163,2988.46 2219.94,2988.46 2233,2975.41 2233,2865.72 2351.72,2747 2650.2,2747 2789.62,2886.42 2789.62,2893.13 2812.12,2915.63 CN5003.4@2859.56,2915.63